# Altium PCB SOM_MCU.PcbDoc (part 2 of 4)
Units mil, origin at the board's own origin, x right, y up, seen from the top; angles counter-clockwise.
Board outline 3385.83 x 1811.02 mil, 4 copper layers (Top Layer, Mid-Layer 1, Mid-Layer 3, Bottom Layer); 107 components, 185 nets, 882 pads, 645 vias.
Unrouted connection lines stored in the file: 5.
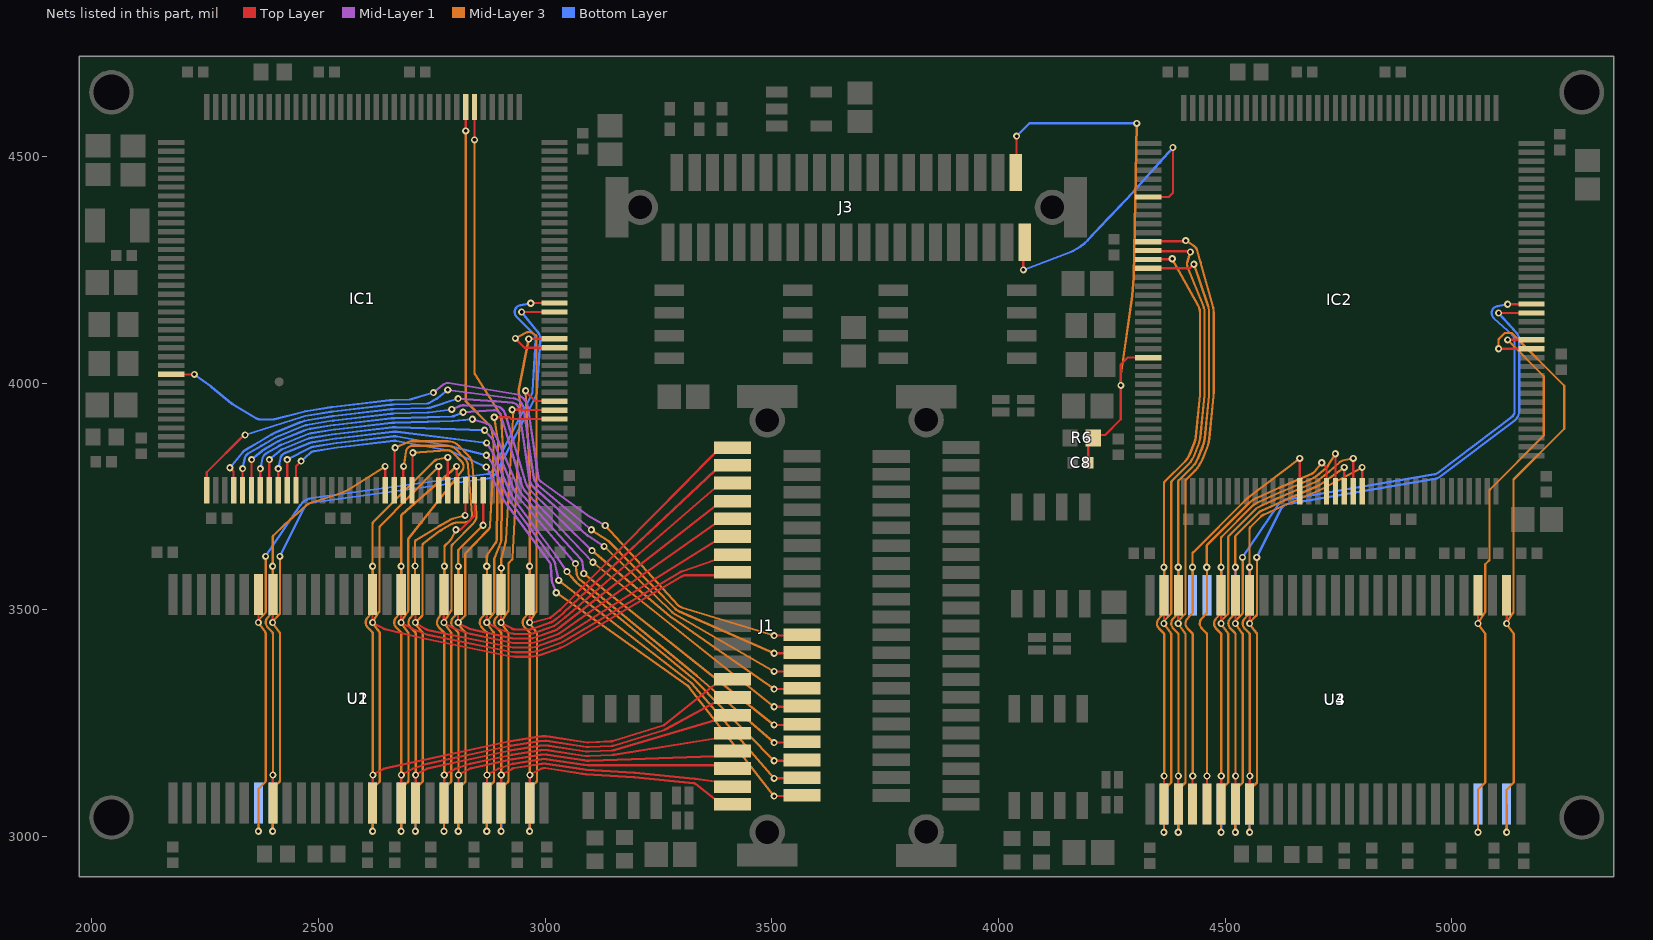
[diagram p4: the nets of this part, all layers, seen from the top]

## Via types
v1: diameter 15.75, hole 7.87, Top Layer to Bottom Layer, tented both sides, 639 vias
v2: diameter 15.75, hole 7.87, Top Layer to Bottom Layer, 4 vias
v3: diameter 23.62/23.62/23.62/23.62 (per signal layer), hole 12, Top Layer to Bottom Layer, tented top, 2 vias

## Nets (pads, with @x,y where several pads share a name; then routed paths per layer and width w, separated by ;. In a path a pad name is that pad's centre, name@x,y a point inside that pad or via, vN(x,y) a via of type N, cw(c..) or ccw(c..) an arc to the next point about the centre after c; other vN are vias at no path point) (continued)
A11: IC1.57 U1.35 U2.35 | length 1133.6
  Top Layer w5: U1.35@2398.94,3073.39 v1@2398.94,3135.23 ; U1.35@2399.18,3073.63 v1(2399.18,3135.47) ; U1.35@2399.43,3073.38 v1@2399.43,3135.23 ; IC1.57@2647.13,3763.86 v1@2647.13,3816.14
  Mid-Layer 3 w5: v1(2399.18,3135.47) 2399.18,3447.62 ; 2399.18,3447.67 ccw(c2394.18,3447.58) 2397.73,3451.11 2387.8,3461.08 cw(c2398.69,3471.93) 2387.17,3482.1 2397.93,3494.28 ccw(c2394.18,3497.59) 2399.18,3497.5 ; 2399.18,3497.54 2399.18,3595.61 v1(2398.69,3596.1) 2398.69,3659.8 cw(c2403.69,3659.8) 2400.14,3663.32 2424.62,3687.8 cw(c2435.19,3677.15) 2425.27,3688.4 2472.92,3730.42 cw(c2489.7,3711.39) 2481.97,3735.56 2550.28,3757.85 ccw(c2530,3820) 2564.85,3764.69 v1(2646.89,3816.38)
  Bottom Layer w5: U2.35@2398.94,3534.02 v1@2398.94,3595.86
A21: IC2.12 U3.25 U4.25 | length 1559.1
  Top Layer w5: IC2.12@4330.61,4312.32 4331.63,4313.35 4412.34,4313.35 v1(4413.37,4314.37) ; v1@4396.91,3469.93 U3.25@4396.91,3531.83
  Mid-Layer 3 w5: v1(4396.66,3009.05) 4396.66,3102.74 4412.79,3118.86 4412.79,3445.52 ; v1(4396.66,3469.68) ccw(c4400.82,3472.47) 4396.75,3469.56 4411.86,3448.38 cw(c4407.79,3445.48) 4412.79,3445.57 ; v1@4396.66,3475.38 4396.66,3475.25 cw(c4400.82,3472.47) 4397.25,3475.97 4411.33,3490.09 ccw(c4407.79,3493.62) 4412.79,3493.53 ; 4412.79,3493.58 4412.79,3784.12 cw(c4417.79,3784.12) 4414.23,3787.64 4433.41,3806.81 ccw(c4380,3860) 4450,3832.04 4459.97,3856.97 ccw(c4390,3885) 4465,3877.48 4474.42,3971.09 ccw(c4409.38,3977.64) 4474.75,3977.64 4474.75,4155 ccw(c4409.38,4155) 4472.34,4172.59 4446.11,4266.45 ccw(c4431.31,4262.31) 4446.06,4266.64 4438.12,4293.7 ccw(c4423.37,4289.37) 4431.82,4302.21 v1(4413.37,4314.37)
  Bottom Layer w5: v1@4396.91,3009.3 U4.25@4396.91,3071.14
A31: IC2.13 U3.26 U4.26 | length 1541.3
  Top Layer w5: IC2.13@4330.77,4292.8 4332.56,4291 4421.73,4291 v1(4423.37,4289.37) ; v1@4365.41,3469.93 U3.26@4365.41,3531.83
  Mid-Layer 3 w5: v1(4365.17,3009.05) 4365.17,3102.74 4381.29,3118.86 4381.29,3445.52 ; v1(4365.17,3469.68) ccw(c4369.32,3472.47) 4365.25,3469.56 4380.36,3448.38 cw(c4376.29,3445.48) 4381.29,3445.57 ; v1@4365.17,3475.38 4365.17,3475.25 cw(c4369.32,3472.47) 4365.75,3475.97 4379.83,3490.09 ccw(c4376.29,3493.62) 4381.29,3493.53 ; 4381.29,3493.58 4381.29,3780.91 cw(c4386.29,3780.91) 4382.74,3784.43 4419.23,3820.92 ccw(c4380,3860) 4431.41,3839.43 4441.4,3864.39 ccw(c4390,3885) 4445.1,3879.45 4454.52,3973.09 ccw(c4409.38,3977.64) 4454.75,3977.64 4454.75,4155 ccw(c4409.38,4155) 4451.41,4172.1 4417.07,4256.52 cw(c4431.31,4262.31) 4416.57,4266.7 v1(4423.37,4289.37)
  Bottom Layer w5: v1@4365.41,3009.3 U4.26@4365.41,3071.14
A41: IC2.14 U3.29 U4.29 | length 1370.5
  Top Layer w5: IC2.14@4330.61,4272.95 4331.32,4273.66 4382.66,4273.66 v1(4383.37,4274.37) ; U3.29@4365.41,3071.14 4365.41,3132.98 v1(4365.66,3133.23)
  Mid-Layer 3 w5: v1(4365.66,3133.23) 4365.66,3445.38 ccw(c4360.66,3445.38) 4364.21,3448.9 4354.33,3458.78 cw(c4365.17,3469.68) 4353.67,3479.89 4364.4,3491.98 ccw(c4360.66,3495.3) 4365.66,3495.3 4365.66,3593.37 v1(4365.17,3593.86) 4365.17,3778.93 cw(c4370.17,3778.93) 4366.61,3782.45 4412.15,3827.98 ccw(c4380,3860) 4422.15,3843.2 4432.13,3868.15 ccw(c4390,3885) 4435.15,3880.45 4444.57,3974.09 ccw(c4409.38,3977.64) 4444.75,3977.64 4444.75,4155 ccw(c4409.38,4155) 4440.28,4172.22 v1(4383.37,4274.37)
  Bottom Layer w5: U4.29@4365.41,3531.83 v1@4365.41,3593.61
A51: IC2.15 U3.30 U4.30 | length 1393.6
  Top Layer w5: IC2.15@4330.77,4253.43 4331.16,4253.82 4422.81,4253.82 v1(4431.31,4262.31) ; U3.30@4396.91,3071.2 v1@4396.91,3133.47
  Mid-Layer 3 w5: v1(4397.15,3133.23) 4397.15,3445.38 ; 4397.15,3445.43 ccw(c4392.15,3445.34) 4395.7,3448.86 4385.77,3458.84 cw(c4396.66,3469.68) 4385.14,3479.86 4395.9,3492.03 ccw(c4392.15,3495.34) 4397.15,3495.25 ; 4397.15,3495.3 4397.15,3593.37 v1(4396.66,3593.86) 4396.66,3782.14 cw(c4401.67,3782.14) 4398.11,3785.66 4426.32,3813.87 ccw(c4380,3860) 4440.7,3835.72 4450.7,3860.72 ccw(c4390,3885) 4455.05,3878.45 4464.47,3972.05 ccw(c4409.38,3977.64) 4464.75,3977.64 4464.75,4155 ccw(c4409.38,4155) 4461.79,4172.86 v1(4431.31,4262.31)
  Bottom Layer w5: U4.30@4396.91,3531.83 v1@4396.91,3593.61
A61: IC2.50 U3.31 U4.31 | length 1015.7
  Top Layer w5: U3.31@4428.4,3071.14 v1@4428.4,3132.98 ; IC2.50@4664.94,3761.46 v1(4664.86,3834.13)
  Mid-Layer 3 w5: v1(4428.65,3133.23) 4428.65,3445.38 ; 4428.65,3445.43 ccw(c4423.65,3445.34) 4427.19,3448.86 4417.27,3458.84 cw(c4428.16,3469.68) 4416.64,3479.86 4427.4,3492.03 ccw(c4423.65,3495.34) 4428.65,3495.25 ; 4428.65,3495.3 4428.65,3593.37 v1(4428.16,3593.86) 4428.16,3623.12 cw(c4433.16,3623.12) 4429.61,3626.64 4544.8,3741.83 cw(c4590.64,3695.75) 4551.21,3747.43 v1(4664.86,3834.13)
  Bottom Layer w5: U4.31@4428.41,3531.83 v1@4428.41,3593.61
A71: IC2.53 U3.32 U4.32 | length 1029.1
  Top Layer w5: U3.32@4459.9,3071.2 v1@4459.9,3133.23 ; v1(4713.37,3824.37) 4723.6,3814.13 4723.6,3761.85 IC2.53@4723.84,3761.61
  Mid-Layer 3 w5: v1(4460.15,3133.23) 4460.15,3445.38 ; 4460.15,3445.43 ccw(c4455.15,3445.34) 4458.69,3448.86 4448.76,3458.84 cw(c4459.66,3469.68) 4448.13,3479.86 4458.89,3492.03 ccw(c4455.15,3495.34) 4460.15,3495.25 ; 4460.15,3495.3 4460.15,3593.37 v1(4459.66,3593.86) 4459.66,3640.48 cw(c4464.66,3640.48) 4461.1,3643.99 4551.85,3734.74 cw(c4590.64,3695.75) 4567.87,3745.81 4618.09,3768.66 cw(c4645.15,3709.15) 4619.35,3769.22 4691.58,3800.24 ccw(c4685.51,3814.37) 4697.47,3804.7 v1(4713.37,3824.37)
  Bottom Layer w5: U4.32@4459.9,3531.83 v1@4459.9,3593.61
A81: IC2.54 U3.33 U4.33 | length 1063.8
  Top Layer w5: U3.33@4491.4,3071.14 v1@4491.4,3132.98 ; v1(4743.37,3844.37) 4743.44,3844.29 4743.44,3761.69 IC2.54@4743.52,3761.61
  Mid-Layer 3 w5: v1(4491.64,3133.23) 4491.64,3445.38 ; 4491.64,3445.43 ccw(c4486.64,3445.34) 4490.19,3448.86 4480.26,3458.84 cw(c4491.15,3469.68) 4479.63,3479.86 4490.39,3492.03 ccw(c4486.64,3495.34) 4491.64,3495.25 ; 4491.64,3495.3 4491.64,3593.37 v1(4491.15,3593.86) 4491.15,3657.83 cw(c4496.15,3657.83) 4492.6,3661.35 4558.91,3727.66 cw(c4590.64,3695.75) 4572.01,3736.71 4622.22,3759.55 cw(c4645.15,3709.15) 4623.34,3760.05 4695.53,3791.06 ccw(c4685.51,3814.37) 4701.65,3794.79 4723.14,3812.51 ccw(c4713.37,3824.37) 4726.53,3816.44 v1(4743.37,3844.37)
  Bottom Layer w5: U4.33@4491.4,3531.83 v1@4491.4,3593.61
A91: IC2.55 U3.34 U4.34 | length 1004.3
  Top Layer w5: U3.34@4522.89,3071.2 v1@4522.89,3133.23 ; IC2.55@4763.21,3761.61 v1@4763.21,3813.9
  Mid-Layer 3 w5: v1(4523.14,3133.23) 4523.14,3445.38 ; 4523.14,3445.43 ccw(c4518.14,3445.34) 4521.68,3448.86 4511.75,3458.84 cw(c4522.65,3469.68) 4511.13,3479.86 4521.88,3492.03 ccw(c4518.14,3495.34) 4523.14,3495.25 ; 4523.14,3495.3 4523.14,3593.37 v1(4522.65,3593.86) 4522.65,3661.04 cw(c4527.65,3661.04) 4524.09,3664.56 4573.02,3713.48 cw(c4590.64,3695.75) 4580.3,3718.51 4630.47,3741.33 cw(c4645.15,3709.15) 4631.28,3741.69 4703.42,3772.68 ccw(c4685.51,3814.37) 4711.98,3777.51 v1(4762.97,3814.13)
  Bottom Layer w5: U4.34@4522.89,3531.83 v1@4522.89,3593.61
A101: IC2.56 U3.22 U4.22 | length 1192.6
  Top Layer w5: v1@4491.4,3469.93 U3.22@4491.4,3531.83 ; IC2.56@4783.05,3761.46 v1@4783.05,3834.06
  Mid-Layer 3 w5: v1(4491.15,3009.05) 4491.15,3102.74 4507.27,3118.86 4507.27,3445.52 ; v1(4491.15,3469.68) ccw(c4495.31,3472.47) 4491.24,3469.56 4506.35,3448.38 cw(c4502.27,3445.48) 4507.27,3445.57 ; v1@4491.15,3475.38 4491.15,3475.25 cw(c4495.31,3472.47) 4491.73,3475.97 4505.82,3490.09 ccw(c4502.27,3493.62) 4507.27,3493.53 ; 4507.27,3493.58 4507.27,3659.81 cw(c4512.28,3659.81) 4508.72,3663.33 4565.96,3720.57 cw(c4590.64,3695.75) 4576.2,3727.63 4626.36,3750.45 cw(c4645.15,3709.15) 4627.32,3750.87 4699.47,3781.87 ccw(c4685.51,3814.37) 4708.01,3787.07 4729.5,3804.79 ccw(c4713.37,3824.37) 4730.31,3805.48 4752.7,3825.58 cw(c4762.97,3814.13) 4759.76,3829.17 v1(4782.97,3834.13)
  Bottom Layer w5: v1@4491.4,3009.3 U4.22@4491.4,3071.14
A111: IC2.57 U3.35 U4.35 | length 1018.4
  Top Layer w5: U3.35@4554.39,3071.14 v1@4554.39,3133.23 ; IC2.57@4802.64,3761.61 v1@4802.58,3813.9
  Mid-Layer 3 w5: v1(4554.63,3133.23) 4554.63,3445.38 ; 4554.63,3445.43 ccw(c4549.63,3445.34) 4553.18,3448.86 4543.25,3458.84 cw(c4554.14,3469.68) 4542.62,3479.86 4553.38,3492.03 ccw(c4549.63,3495.34) 4554.63,3495.25 ; 4554.63,3495.3 4554.63,3593.37 v1(4554.14,3593.86) 4554.14,3678.4 cw(c4559.15,3678.4) 4555.59,3681.91 4580.07,3706.39 cw(c4590.64,3695.75) 4584.43,3709.4 4634.6,3732.22 cw(c4645.15,3709.15) 4635.24,3732.51 4707.39,3763.5 ccw(c4685.51,3814.37) 4711.66,3765.56 v1(4802.34,3814.13)
  Bottom Layer w5: U4.35@4554.39,3531.83 v1@4554.39,3593.61
ADC1: IC1.27 J1.20 | length 1709.2
  Top Layer w5: IC1.27@2175.23,4019.22 2175.27,4019.25 2225.92,4019.25 v1(2225.96,4019.22) ; v1(3504.88,3443) J1.20@3565.3,3443
  Mid-Layer 1 w5: v1(2753.43,3979.1) 2775.29,3996.92 cw(c2785,3985) 2787.51,4000.17 2932.72,3976.16 cw(c2926.95,3941.26) 2961.95,3946.4 2984.79,3792.79 ccw(c3000,3795) 2990.98,3782.55 3092.44,3709.09 ccw(c3101.43,3721.56) 3093.77,3708.23 v1(3132.49,3685.98)
  Mid-Layer 3 w5: v1(3132.49,3685.98) 3293.65,3509.63 ccw(c3305,3520) 3300.52,3505.29 v1(3504.88,3443)
  Bottom Layer w5: v1(2225.96,4019.22) 2262.96,3992.32 cw(c2253.92,3979.88) 2263.7,3991.74 2307.93,3955.28 ccw(c2314.29,3963) 2309.2,3954.39 2364.98,3921.39 ccw(c2370.07,3930) 2370.07,3920 2400.33,3920 ccw(c2400.33,3930) 2402.93,3920.34 2465.39,3936.6 cw(c2491.93,3834.63) 2475.11,3938.65 2526.56,3946.97 cw(c2543.38,3842.95) 2531.34,3947.63 2656.65,3962.16 cw(c2668.78,3857.49) 2665.27,3962.8 2701.33,3964.01 ccw(c2701,3974) 2703.84,3964.41 v1(2753.43,3979.1)
ADC2: IC1.37 J1.18 | length 1684.9
  Top Layer w5: IC1.37@2253.43,3763.86 2253.43,3803.43 2335.63,3885.63 v1(2337.99,3885.63) ; v1(3504.88,3404) J1.18@3565.3,3404
  Mid-Layer 1 w5: v1(2785,3985) 2930.17,3966.42 cw(c2926.95,3941.26) 2952.05,3944.96 2974.9,3791.3 ccw(c3000,3795) 2983.66,3775.59 v1(3101.88,3676.5)
  Mid-Layer 3 w5: v1(3101.88,3676.5) 3138.35,3652.91 cw(c3130,3640) 3140.97,3650.77 3286.9,3502.22 ccw(c3305,3520) 3294.75,3496.79 v1(3504.88,3404)
  Bottom Layer w5: v1(2337.99,3885.63) 2462.95,3925.49 cw(c2491.93,3834.63) 2476.71,3928.78 2528.15,3937.1 cw(c2543.38,3842.95) 2532.44,3937.69 2657.76,3952.22 cw(c2668.78,3857.49) 2665.95,3952.82 2739.58,3955 ccw(c2739.33,3965) 2744.21,3956.27 2760.95,3965.69 ccw(c2753.43,3979.1) 2763.14,3967.18 v1(2785,3985)
ADC3: IC1.40 J1.16 | length 1646.5
  Top Layer w5: v1(2304.16,3813.48) 2312.48,3805.16 IC1.40@2312.48,3763.86 ; v1(3504.88,3364) J1.16@3565.3,3364
  Mid-Layer 1 w5: v1(2807.8,3965.88) 2890.02,3959.97 cw(c2887.48,3924.68) 2890.61,3959.92 2928.31,3956.57 cw(c2926.95,3941.26) 2942.16,3943.48 2965.01,3789.8 ccw(c3000,3795) 2976.35,3768.7 3091.65,3665.02 ccw(c3101.88,3676.5) 3093.5,3663.61 v1(3130,3640)
  Mid-Layer 3 w5: v1(3130,3640) 3280.41,3494.57 ccw(c3305,3520) 3287.34,3489.35 v1(3504.88,3364)
  Bottom Layer w5: v1(2304.16,3813.48) 2332.61,3847.51 cw(c2352.07,3831.24) 2339.18,3853.09 2368.4,3870.33 ; 2368.44,3870.35 2397.53,3887.49 cw(c2430.79,3831.22) 2406.08,3891.74 2459.6,3913.64 cw(c2491.93,3834.63) 2478.38,3918.92 2529.71,3927.22 cw(c2543.38,3842.95) 2533.55,3927.75 2658.95,3942.29 cw(c2668.78,3857.49) 2666.25,3942.82 2739.89,3945.01 ccw(c2739.33,3965) 2745.39,3945.94 v1(2807.8,3965.88)
ADC4: IC1.41 J1.14 | length 1612.5
  Top Layer w5: IC1.41@2332.17,3763.86 v1(2332.21,3811.55) ; v1(3504.88,3325) J1.14@3565.3,3325
  Mid-Layer 1 w5: v1(2793.73,3942) 2812.74,3950.09 cw(c2818.76,3935.94) 2820.04,3951.26 2820.09,3951.26 ccw(c2820.49,3956.24) 2820.38,3951.24 2887.87,3950.05 cw(c2887.48,3924.68) 2911.81,3931.88 2956.51,3782.07 ccw(c3000,3795) 2968.26,3762.58 v1(3103.23,3630.44)
  Mid-Layer 3 w5: v1(3103.23,3630.44) 3275.79,3485.28 ccw(c3305,3520) 3279.01,3482.8 v1(3504.88,3325)
  Bottom Layer w5: v1(2332.21,3811.55) 2337.03,3834.41 cw(c2352.07,3831.24) 2344.26,3844.48 2373.47,3861.71 ; 2373.48,3861.71 2402.64,3878.9 cw(c2430.79,3831.22) 2409.82,3882.47 2463.34,3904.37 cw(c2491.93,3834.63) 2479.94,3909.04 2531.35,3917.35 cw(c2543.38,3842.95) 2534.79,3917.83 2660.1,3932.36 cw(c2668.78,3857.49) 2666.55,3932.83 2740.22,3935.01 ccw(c2739.33,3965) 2743.3,3935.26 v1(2793.73,3942)
ADC5: IC1.42 J1.12 | length 1608.8
  Top Layer w5: IC1.42@2351.85,3763.86 2351.96,3763.97 2351.96,3831.13 v1(2352.07,3831.24) ; v1(3504.88,3286) J1.12@3565.3,3286
  Mid-Layer 1 w5: v1(2818.76,3935.94) 2886.55,3940.03 cw(c2887.48,3924.68) 2902.22,3929.04 2946.94,3779.17 ccw(c3000,3795) 2959.88,3756.83 v1(3105.05,3604.75)
  Mid-Layer 3 w5: v1(3105.05,3604.75) v1(3504.88,3286)
  Bottom Layer w5: v1(2352.07,3831.24) 2375.09,3850.64 cw(c2391.44,3831.24) 2378.56,3853.1 2407.76,3870.31 cw(c2430.79,3831.22) 2413.66,3873.23 2467.13,3895.11 cw(c2491.93,3834.63) 2481.5,3899.16 2532.88,3907.47 cw(c2543.38,3842.95) 2535.9,3907.89 2661.22,3922.42 cw(c2668.78,3857.49) 2666.84,3922.83 2740.47,3925.02 cw(c2740.83,3915.02) 2740.55,3925.02 2794.22,3926.63 ccw(c2793.73,3942) 2799.75,3927.85 v1(2818.76,3935.94)
ADC6: IC1.43 J1.10 | length 1583.2
  Top Layer w5: IC1.43@2371.56,3763.88 v1(2371.58,3811.55) ; v1(3504.88,3246) J1.10@3565.3,3246
  Mid-Layer 1 w5: v1(2839.27,3920.37) 2870.86,3910.74 cw(c2866.37,3896.03) 2879.76,3903.59 2892.75,3880.59 cw(c2870.65,3868.11) 2894.06,3877.92 2939.75,3769.62 ccw(c3000,3795) 2952,3750.62 3078.23,3612.2 cw(c3066.87,3601.84) 3082.14,3603.69 v1(3085,3580)
  Mid-Layer 3 w5: v1(3085,3580) v1(3504.88,3246)
  Bottom Layer w5: v1(2371.58,3811.55) 2376.4,3834.41 cw(c2391.44,3831.24) 2383.64,3844.48 2412.83,3861.69 cw(c2430.79,3831.22) 2417.4,3863.96 2470.96,3885.88 cw(c2491.93,3834.63) 2483.09,3889.29 2534.51,3897.6 cw(c2543.38,3842.95) 2537.02,3897.95 2662.41,3912.49 cw(c2668.78,3857.49) 2667.14,3912.83 2740.83,3915.02 2794.53,3916.64 ccw(c2793.73,3942) 2795.86,3916.71 v1(2839.27,3920.37)
ADC7: IC1.44 J1.8 | length 1573.9
  Top Layer w5: IC1.44@2391.33,3763.97 v1@2391.33,3831.13 ; v1(3504.88,3207) J1.8@3565.3,3207
  Mid-Layer 1 w5: v1(2866.37,3896.03) 2882.13,3878.34 cw(c2870.65,3868.11) 2884.82,3874.08 2930.56,3765.7 ccw(c3000,3795) 2942.89,3745.81 v1(3066.87,3601.84)
  Mid-Layer 3 w5: v1(3066.87,3601.84) 3069.74,3578.14 ccw(c3085,3580) 3075.22,3568.14 3333.85,3355.02 cw(c3305,3320) 3334.7,3354.31 v1(3504.88,3207)
  Bottom Layer w5: v1(2391.44,3831.24) 2414.44,3850.62 cw(c2430.79,3831.22) 2421.18,3854.7 2474.7,3876.6 cw(c2491.93,3834.63) 2484.73,3879.42 2536.14,3887.74 cw(c2543.38,3842.95) 2538.16,3888.02 2663.56,3902.56 cw(c2668.78,3857.49) 2670.36,3902.83 v1(2866.37,3896.03)
ADC8: IC1.45 J1.6 | length 1555.9
  Top Layer w5: IC1.45@2410.91,3763.86 v1(2410.93,3811.52) ; v1(3504.88,3167) J1.6@3565.3,3167
  Mid-Layer 1 w5: v1(2870.65,3868.11) 2883.08,3849.26 cw(c2870.25,3840.8) 2884.36,3846.9 2921.7,3760.97 ccw(c3000,3795) 2931.44,3744.12 3025.49,3617.23 cw(c2997.12,3596.1) 3026.31,3616.07 v1(3048.11,3584.21)
  Mid-Layer 3 w5: v1(3048.11,3584.21) 3065.67,3563.56 ccw(c3085,3580) 3068.86,3560.42 3327.46,3347.33 cw(c3305,3320) 3330.24,3344.79 v1(3504.88,3167)
  Bottom Layer w5: v1(2410.93,3811.52) 2415.75,3834.39 cw(c2430.79,3831.22) 2424.97,3845.45 2478.54,3867.36 cw(c2491.93,3834.63) 2486.29,3869.55 2537.73,3877.87 cw(c2543.38,3842.95) 2539.34,3878.09 2664.67,3892.62 cw(c2668.78,3857.49) 2673.14,3892.59 v1(2870.65,3868.11)
ADC9: IC1.46 J1.4 | length 1550.5
  Top Layer w5: IC1.46@2430.68,3763.95 v1@2430.68,3831.11 ; v1(3504.88,3128) J1.4@3565.3,3128
  Mid-Layer 1 w5: v1(2870.25,3840.8) 2882.43,3824.04 cw(c2870,3815) 2884.06,3821.23 2912.84,3756.27 ccw(c3000,3795) 2923.39,3738.19 3017.48,3611.25 cw(c2997.12,3596.1) 3021.89,3601.59 v1(3030,3565)
  Mid-Layer 3 w5: v1(3030,3565) 3320.53,3340.06 cw(c3305,3320) 3324.18,3336.61 v1(3504.88,3128)
  Bottom Layer w5: v1(2430.79,3831.22) 2480.15,3857.1 cw(c2491.93,3834.63) 2487.94,3859.68 2539.27,3867.99 cw(c2543.38,3842.95) 2540.46,3868.15 2665.86,3882.69 cw(c2668.78,3857.49) 2673.35,3882.45 2789.53,3861.34 cw(c2785,3836.38) 2791.28,3860.96 v1(2870.25,3840.8)
ADC10: IC1.47 J1.2 | length 1543.8
  Top Layer w5: IC1.47@2450.28,3763.86 2450.28,3816.7 v1(2461.53,3827.95) ; v1(3504.88,3089) J1.2@3565.3,3089
  Mid-Layer 1 w5: v1(2870,3815) 2906.97,3745.51 ccw(c3000,3795) 2915.34,3732.26 3009.47,3605.26 cw(c2997.12,3596.1) 3012.46,3597.12 3014.66,3563.98 ccw(c3030,3565) 3015.7,3559.35 v1(3024.27,3537.67)
  Mid-Layer 3 w5: v1(3024.27,3537.67) 3313.89,3332.55 cw(c3305,3320) 3317.12,3329.46 v1(3504.88,3089)
  Bottom Layer w5: v1(2461.53,3827.95) 2481.65,3846.05 cw(c2491.93,3834.63) 2489.48,3849.8 2540.93,3858.12 cw(c2543.38,3842.95) 2541.61,3858.22 2667.01,3872.76 cw(c2668.78,3857.49) 2671.53,3872.61 2787.75,3851.5 cw(c2785,3836.38) 2791.31,3850.4 v1(2870,3815)
AUDIO_NRST: C8.2 IC2.25 J3.2 R6.2 | length 1263.2
  Top Layer w5: J3.2@4038,4465 4040,4467 v1(4040,4545) ; C8.2@4198.43,3824.37 4198.43,3868.78 4215.35,3885.7 4235.48,3885.7 4270.06,3920.28 v1(4270.06,3995) 4270.06,4041 4285.47,4056.42 IC2.25@4330.67,4056.42
  Mid-Layer 3 w5: v1(4270.06,3995) 4270.35,4017.55 cw(c4285.72,4017.37) 4270.35,4017.64 cw(c4285.72,4017.37) 4270.5,4019.49 4295.21,4192.79 ccw(c4280,4195) 4295.22,4192.85 ccw(c4280,4195) 4295.31,4193.64 4298.74,4233.04 ccw(c4283.43,4234.37) 4298.8,4234.08 v1(4305.28,4573.29)
  Bottom Layer w5: v1(4040,4545) 4068.29,4573.29 v1(4305.28,4573.29)
BA0: IC1.89 U1.20 U2.20 | length 1825.7
  Top Layer w5: v1(2398.69,3471.93) U1.20@2398.69,3533.77 ; v1@2398.94,3472.17 U1.20@2398.94,3534.02 ; v1@2948.07,4157.09 IC1.89@3020.67,4157.09
  Mid-Layer 3 w5: v1(2398.69,3011.3) 2398.69,3102.91 cw(c2403.69,3102.91) 2400.14,3106.43 2413.36,3119.69 ccw(c2409.81,3123.22) 2414.81,3123.13 2414.81,3447.77 ; v1(2398.69,3471.93) ccw(c2403.66,3472.54) 2399.66,3469.53 2413.81,3450.73 cw(c2409.81,3447.72) 2414.81,3447.81 ; v1@2398.69,3474.64 2398.69,3473.15 cw(c2403.66,3472.54) 2400.09,3476.04 2413.36,3489.35 ccw(c2409.81,3492.88) 2414.81,3492.79 ; 2414.81,3492.84 v1@2414.81,3614.64
  Bottom Layer w5: v1@2398.94,3011.54 U2.20@2398.94,3073.39 ; v1(2414.52,3617.91) 2467.01,3722.75 cw(c2489.7,3711.39) 2486.3,3736.54 2873.46,3789.86 ccw(c2870,3815) 2892.55,3803.37 2979.3,3971.59 ccw(c2956.75,3983.22) 2982.08,3981.68 2989.02,4095.95 ccw(c2963.69,4097.49) 2983.38,4113.5 v1(2947.99,4157.01)
BA01: IC2.89 U3.20 U4.20 | length 1760.6
  Top Layer w5: v1@4554.39,3469.93 U3.20@4554.39,3531.83 ; v1@5103.52,4154.84 IC2.89@5176.12,4154.84
  Mid-Layer 3 w5: v1(4554.14,3009.21) 4554.14,3102.74 4570.27,3118.86 4570.27,3447.48 4569.05,3448.77 4555.12,3467.28 cw(c4559.11,3470.29) v1(4554.14,3469.68) ; v1@4554.14,3470.9 cw(c4559.11,3470.29) 4555.54,3473.8 4568.81,3487.11 ccw(c4565.27,3490.64) 4570.27,3490.55 ; 4570.27,3490.59 v1@4570.27,3612.39
  Bottom Layer w5: v1(4554.14,3009.21) 4554.14,3070.9 U4.20@4554.39,3071.14 ; v1@4569.73,3615.91 v1(4569.98,3615.67) 4622.46,3720.51 cw(c4645.15,3709.15) 4640.94,3734.17 4964.08,3789.12 ccw(c4959.82,3814.13) 4975.13,3793.9 5138.75,3917.68 ccw(c5123.44,3937.91) 5148.82,3937.91 5148.82,4095.39 ccw(c5123.44,4095.39) 5142.15,4112.54 v1(5103.44,4154.76) v1@5103.2,4155.01
BA1: IC1.90 U1.21 U2.21 | length 1861.8
  Top Layer w5: v1(2367.2,3471.93) U1.21@2367.2,3533.77 ; v1@2367.44,3472.17 U1.21@2367.44,3534.02 ; v1@2968.23,4176.61 IC1.90@3020.51,4176.61
  Mid-Layer 3 w5: v1(2367.2,3011.3) 2367.2,3102.91 cw(c2372.2,3102.91) 2368.64,3106.43 2381.86,3119.69 ccw(c2378.32,3123.22) 2383.32,3123.13 2383.32,3447.77 ; v1(2367.2,3471.93) ccw(c2371.35,3474.71) 2367.28,3471.8 2382.39,3450.63 cw(c2378.32,3447.72) 2383.32,3447.81 ; v1@2367.2,3477.63 2367.2,3477.49 cw(c2371.35,3474.71) 2367.78,3478.21 2381.86,3492.34 ccw(c2378.32,3495.87) 2383.32,3495.78 v1@2383.32,3617.62
  Bottom Layer w5: v1@2367.44,3011.54 U2.21@2367.44,3073.39 ; v1(2383.03,3617.91) 2460.49,3731.34 cw(c2489.7,3711.39) 2484.87,3746.44 2872.1,3799.77 ccw(c2870,3815) 2883.66,3807.95 2970.41,3976.18 ccw(c2956.75,3983.22) 2972.1,3982.29 2979.04,4096.55 ccw(c2963.69,4097.49) 2974.61,4108.31 2937.07,4146.19 cw(c2947.99,4157.01) 2945.17,4172.12 v1(2967.99,4176.38)
BA11: IC2.90 U3.21 U4.21 | length 1798.6
  Top Layer w5: v1@4522.89,3469.93 U3.21@4522.89,3531.83 ; v1@5123.68,4174.37 IC2.90@5175.96,4174.37
  Mid-Layer 3 w5: v1(4522.65,3009.21) 4522.65,3102.74 4538.77,3118.86 4538.77,3447.45 4537.6,3448.72 4522.73,3469.56 cw(c4526.8,3472.47) v1@4522.65,3469.68 ; v1@4522.65,3475.38 4522.65,3475.25 cw(c4526.8,3472.47) 4523.23,3475.97 4537.31,3490.09 ccw(c4533.77,3493.62) 4538.77,3493.53 ; 4538.77,3493.58 v1@4538.77,3615.38
  Bottom Layer w5: v1(4522.65,3009.21) 4522.65,3070.9 U4.21@4522.89,3071.14 ; v1@4538.24,3615.91 v1(4538.48,3615.67) 4615.94,3729.1 cw(c4645.15,3709.15) 4639.22,3744.02 4962.4,3798.98 ccw(c4959.82,3814.13) 4969.1,3801.87 5132.72,3925.65 ccw(c5123.44,3937.91) 5138.82,3937.91 5138.82,4095.39 ccw(c5123.44,4095.39) 5133.73,4106.82 5093.16,4143.34 cw(c5103.44,4154.76) 5100.63,4169.88 v1(5123.44,4174.13) v1@5123.2,4174.38
  other v1: 4522.65,3469.68
CODEC_GPIO: IC2.7 J3.1 | length 655.9
  Top Layer w5: v1(4055,4250) 4055,4308 J3.1@4058,4311 ; IC2.7@4330.67,4410.75 4375.75,4410.75 4385,4420 v1(4385,4520)
  Bottom Layer w5: v1(4055,4250) 4156.62,4288.36 ccw(c4119,4388) 4196.79,4315.26 4243.77,4365.5 cw(c4255,4355) 4243.96,4365.7 4283.14,4406.11 ccw(c4272.11,4416.82) 4283.57,4406.57 v1(4385,4520)
D0: IC1.85 J1.41 U1.2 U2.2 | length 1993
  Top Layer w5: v1(2934.16,4098.67) 2954.48,4078.35 IC1.85@3020.67,4078.35 ; v1@2965.87,3472.17 v1(2965.62,3471.93) ; U1.2@2965.87,3534.02 2965.62,3491.52 2965.62,3476.9 2965.62,3472.07 cw(c2960.62,3472.06) v1@2965.62,3471.96 ; J1.41@3402.81,3847.51 J1.41@3410.3,3855 ; J1.41@3412.91,3857.61 J1.41@3410.3,3855 ; v1(2965.62,3471.93) 2970.62,3471.93 ccw(c2970.62,3476.93) 2971.87,3472.09 3009.24,3481.75 ccw(c3007.36,3489.02) 3012.04,3483.15 3032.06,3499.11 ccw(c3022.46,3511.11) 3033.4,3500.31 3374.41,3846.11 J1.41@3410.3,3855
  Mid-Layer 3 w5: v1(2934.16,4098.67) 2956.22,4110.93 cw(c2963.69,4097.49) 2971.61,4110.66 2978.59,4106.47 cw(c2976.01,4102.18) 2981.01,4102.27 2981.01,3498.3 ; v1(2965.62,3011.3) 2965.62,3102.91 cw(c2970.62,3102.91) 2967.07,3106.43 2980.29,3119.69 ccw(c2976.74,3123.22) 2981.74,3123.13 2981.74,3447.77 ; 2981.01,3498.26 cw(c2976.01,3498.34) 2980.19,3495.6 2966.45,3474.68 ccw(c2970.62,3471.93) 2965.62,3471.98 v1(2965.62,3471.93) ccw(c2970.62,3471.93) 2966.68,3468.86 2980.69,3450.79 cw(c2976.74,3447.72) 2981.74,3447.81
  Bottom Layer w5: v1@2965.87,3011.54 U2.2@2965.87,3073.39
D01: IC2.85 U3.2 U4.2 | length 1464
  Top Layer w5: v1@5103.52,4076.1 IC2.85@5176.12,4076.1 ; v1@5121.32,3469.93 U3.2@5121.32,3531.83
  Mid-Layer 3 w5: v1(5103.44,4076.02) 5103.47,4095.1 cw(c5108.47,4095.09) 5104.89,4098.58 5117.08,4110.77 5131.97,4110.77 5248.37,3994.37 5248.37,3899.37 5136.46,3787.47 5136.46,3496.06 ; v1(5121.07,3009.05) 5121.07,3102.74 5137.2,3118.86 5137.2,3445.52 ; 5136.46,3496.01 cw(c5131.46,3496.1) 5135.64,3493.35 5121.9,3472.43 ccw(c5126.08,3469.68) v1(5121.07,3469.68) v1(5121.07,3469.68) ccw(c5126.08,3469.68) 5122.13,3466.61 5136.15,3448.55 cw(c5132.2,3445.48) 5137.2,3445.57
  Bottom Layer w5: v1@5121.32,3009.3 U4.2@5121.32,3071.14
D1: IC1.86 J1.39 U1.4 U2.4 | length 1940
  Top Layer w5: v1@2902.65,3471.91 cw(c2899.29,3468.2) 2902.84,3471.72 2904.06,3470.5 ccw(c2907.63,3474) 2905.35,3469.55 2927.08,3458.26 ccw(c2934.13,3471.93) 2934.13,3456.55 2965.62,3456.55 ccw(c2965.62,3471.93) 2970.72,3457.42 3013.2,3472.52 ccw(c3007.36,3489.02) 3018.29,3475.35 3038.28,3491.27 ccw(c3022.46,3511.11) 3039.83,3492.62 3374.41,3807.11 J1.39@3412.91,3818.61 ; U1.4@2902.63,3533.77 v1(2902.63,3471.93) v1@2903.07,3471.93 ; v1(2963.69,4097.49) 2963.96,4097.76 3020.4,4097.76 IC1.86@3020.51,4097.87
  Mid-Layer 3 w5: v1(2902.63,3011.3) 2902.63,3102.91 cw(c2907.63,3102.91) 2904.08,3106.43 2917.29,3119.69 ccw(c2913.75,3123.22) 2918.75,3123.13 2918.75,3447.77 ; 2918.75,3447.81 ccw(c2913.75,3447.72) 2917.7,3450.79 2903.68,3468.86 cw(c2907.63,3471.93) v1(2902.63,3471.93) 2902.63,3471.98 cw(c2907.63,3471.93) 2903.47,3474.7 2917.91,3496.3 ccw(c2913.75,3499.08) 2918.75,3498.99 ; 2918.75,3499.03 2918.75,3602.47 2926.45,3610.17 ; 2926.47,3610.19 ccw(c2922.88,3613.67) 2927.88,3613.41 2945.35,3943.45 ccw(c2930,3944.31) 2945.29,3945.95 2941.47,3981.53 cw(c2956.75,3983.22) 2941.66,3986.17 v1(2963.69,4097.49)
  Bottom Layer w5: v1@2902.87,3011.54 U2.4@2902.87,3073.39
D1_1: IC2.86 U3.4 U4.4 | length 1365.1
  Top Layer w5: v1@5058.33,3469.93 U3.4@5058.33,3531.83 ; v1@5123.68,4095.63 IC2.86@5175.96,4095.63
  Mid-Layer 3 w5: v1(5058.08,3009.05) 5058.08,3102.74 5074.2,3118.86 5074.2,3445.52 ; v1@5058.08,3469.64 ccw(c5063.08,3469.68) 5059.13,3466.62 5073.16,3448.55 cw(c5069.2,3445.48) 5074.2,3445.57 ; v1(5058.08,3469.68) cw(c5063.08,3469.68) 5058.93,3472.47 5073.36,3494.05 ccw(c5069.2,3496.83) 5074.2,3496.74 ; 5074.2,3496.79 5074.2,3600.23 5081.9,3607.92 ; 5081.92,3607.95 ccw(c5078.34,3611.43) 5083.34,3611.43 5083.39,3762.33 cw(c5088.4,3762.33) 5084.81,3765.81 ; 5084.83,3765.83 5203.37,3884.37 5203.37,4015.47 v1(5123.44,4095.39)
  Bottom Layer w5: v1@5058.33,3009.3 U4.4@5058.33,3071.14
D2: IC1.114 J1.37 U1.5 U2.5 | length 2424.2
  Top Layer w5: v1@2843.98,4536.77 IC1.114@2843.98,4609.37 ; v1@2871.38,3472.17 v1(2871.13,3471.93) ; U1.5@2871.38,3534.02 2871.13,3491.52 v1(2871.13,3471.93) ; v1@2871.87,3472.17 v1(2871.13,3471.93) ; J1.37@3412.91,3779.61 3374.41,3768.11 3045.57,3484.33 cw(c3022.46,3511.11) 3044.5,3483.44 3024.5,3467.51 cw(c3007.36,3489.02) 3016.57,3463.1 2974.17,3448.04 cw(c2965.62,3471.93) 2965.62,3446.55 2934.13,3446.55 cw(c2934.13,3471.93) 2926.09,3447.86 2897.7,3457.37 cw(c2902.63,3471.93) 2895.2,3458.47 2873.71,3470.41 cw(c2876.13,3474.78) 2873.59,3470.48 v1(2871.13,3471.93)
  Mid-Layer 3 w5: v1(2844.06,4536.69) 2844.06,4022.54 ccw(c2849.06,4022.54) 2844.84,4019.85 2900.43,3932.97 cw(c2887.48,3924.68) 2902.83,3925.55 2905.97,3870.11 cw(c2870.65,3868.11) 2906.03,3867.67 2905.37,3814.56 2903.29,3656.28 cw(c2877.91,3656.61) 2901.47,3647.2 2888.1,3613.75 ccw(c2892.75,3611.89) 2887.75,3611.89 2887.75,3496.31 ; v1(2871.13,3011.3) 2871.13,3102.91 cw(c2876.13,3102.91) 2872.58,3106.43 2885.8,3119.69 ccw(c2882.26,3123.22) 2887.26,3123.13 2887.26,3447.77 ; 2887.26,3447.81 ccw(c2882.26,3447.72) 2886.21,3450.79 2872.21,3468.83 cw(c2876.13,3471.93) v1(2871.13,3471.93) 2871.13,3471.98 cw(c2876.13,3471.93) 2872.22,3475.04 2886.66,3493.25 ccw(c2882.75,3496.36) 2887.75,3496.27
  Bottom Layer w5: v1@2871.38,3011.54 U2.5@2871.38,3073.39
D3: IC1.115 J1.35 U1.7 U2.7 | length 2494.2
  Top Layer w5: U1.7@2808.14,3533.28 2807.8,3491.52 2807.8,3473.9 cw(c2803.14,3472.08) v1@2808.14,3471.95 ; v1@2808.39,3471.68 v1(2808.14,3471.93) ; v1@2808.88,3472.17 v1(2808.14,3471.93) ; v1@2824.45,4556.93 IC1.115@2824.45,4609.21 ; J1.35@3412.91,3739.61 3374.41,3728.11 3030.44,3459.46 cw(c3007.36,3489.02) 3019.94,3453.69 2977.47,3438.6 cw(c2965.62,3471.93) 2965.62,3436.55 2934.13,3436.55 cw(c2934.13,3471.93) 2926.64,3437.36 2836.34,3456.91 cw(c2839.64,3471.93) 2832.74,3458.19 2811.46,3468.96 cw(c2813.72,3473.42) 2810.21,3469.86 v1(2808.14,3471.93)
  Mid-Layer 3 w5: v1(2808.14,3011.3) 2808.14,3102.91 cw(c2813.14,3102.91) 2809.6,3106.45 2822.81,3119.69 ccw(c2819.26,3123.22) 2824.26,3123.13 ; 2824.26,3123.18 2824.26,3447.77 ; 2824.26,3447.81 ccw(c2819.26,3447.72) 2823.02,3451.02 2809.38,3466.56 cw(c2813.14,3469.86) 2808.14,3469.85 v1(2808.14,3471.93) 2822.3,3486.14 ccw(c2818.76,3489.67) 2823.76,3489.58 2823.76,3622.47 cw(c2828.76,3622.47) 2825.18,3625.96 2873.91,3675.87 ccw(c2862.91,3686.61) 2878.26,3685.77 2885.35,3814.15 ccw(c2870,3815) 2885.37,3814.81 2886.03,3867.92 ccw(c2870.65,3868.11) 2885.85,3870.44 2881.57,3898.36 ccw(c2866.37,3896.03) 2877.29,3906.86 2826.14,3958.39 cw(c2829.69,3961.91) 2824.69,3961.91 v1(2824.69,4556.69)
  Bottom Layer w5: v1@2808.39,3011.54 U2.7@2808.39,3073.39
D4: IC1.58 J1.33 U1.8 U2.8 | length 1989.8
  Top Layer w5: IC1.58@2666.97,3763.7 2667.36,3764.09 2667.36,3856.06 v1(2668.78,3857.49) ; U1.8@2776.64,3533.28 2776.31,3491.52 2776.31,3474.23 cw(c2771.66,3472.37) v1(2776.64,3471.93) ; v1@2777.38,3472.17 v1(2776.64,3471.93) ; J1.33@3412.91,3700.61 3374.41,3689.11 3034.69,3450.16 cw(c3007.36,3489.02) 3023.3,3444.27 2980.81,3429.17 cw(c2965.62,3471.93) 2965.62,3426.55 2934.13,3426.55 cw(c2934.13,3471.93) 2924.52,3427.58 2834.27,3447.13 cw(c2839.64,3471.93) 2831.6,3447.86 2803.21,3457.37 cw(c2808.14,3471.93) 2801.25,3458.19 2779.96,3468.96 cw(c2782.22,3473.42) 2778.72,3469.86 v1(2776.64,3471.93)
  Mid-Layer 3 w5: v1(2668.78,3857.49) 2697.94,3869.95 cw(c2707.91,3846.61) 2707.99,3871.99 2785.09,3871.75 cw(c2785,3836.38) 2810.42,3860.97 2829.75,3841.02 cw(c2804.37,3816.38) 2839.63,3819.27 2848.56,3710.39 cw(c2823.27,3708.32) 2841.37,3690.53 2796.17,3644.52 cw(c2778.07,3662.3) 2796.04,3644.39 2794.46,3642.81 ccw(c2798.02,3639.29) 2793.02,3639.29 2793.02,3500.15 ; v1(2776.64,3011.3) 2776.64,3102.91 cw(c2781.64,3102.91) 2778.09,3106.43 2791.31,3119.69 ccw(c2787.77,3123.22) 2792.77,3123.13 2792.77,3447.77 ; 2792.77,3447.81 ccw(c2787.77,3447.72) 2791.72,3450.79 2777.7,3468.86 cw(c2781.64,3471.93) v1(2776.64,3471.93) 2776.64,3471.98 cw(c2781.64,3471.93) 2777.45,3474.64 2792.21,3497.48 ccw(c2788.02,3500.19) 2793.02,3500.1
  Bottom Layer w5: v1@2776.89,3011.54 U2.8@2776.89,3073.39
D5: IC1.59 J1.31 U1.10 U2.10 | length 2042.9
  Top Layer w5: IC1.59@2686.5,3763.86 2687.07,3764.43 2687.07,3815.81 v1(2687.64,3816.38) ; U1.10@2713.9,3534.02 2713.65,3491.52 v1(2713.65,3471.93) 2715.12,3470.46 ccw(c2718.65,3474) 2716.09,3469.7 2737.51,3456.76 ccw(c2745.41,3469.95) 2742.33,3454.89 2922.91,3417.7 ccw(c2934.13,3471.93) 2934.13,3416.55 2965.62,3416.55 ccw(c2965.62,3471.93) 2984.19,3419.76 3026.58,3434.82 ccw(c3007.36,3489.02) 3037.78,3440.22 3374.41,3650.11 J1.31@3412.91,3661.61
  Mid-Layer 3 w5: v1(2687.64,3816.38) 2692.72,3848.98 cw(c2707.91,3846.61) 2707.96,3861.99 2785.08,3861.75 cw(c2785,3836.38) 2803.23,3854.02 2822.6,3834.03 cw(c2804.37,3816.38) 2829.66,3818.45 2838.59,3709.57 cw(c2823.27,3708.32) 2823.97,3692.96 2802.22,3691.97 ccw(c2802.91,3676.61) 2795.24,3689.94 2770.39,3675.62 ccw(c2778.07,3662.3) 2768.85,3674.6 2731.36,3646.51 ccw(c2734.36,3642.51) 2729.36,3642.51 2729.36,3489.71 ; v1(2713.65,3011.3) 2713.65,3102.91 cw(c2718.65,3102.91) 2715.1,3106.43 2728.32,3119.69 ccw(c2724.77,3123.22) 2729.77,3123.13 2729.77,3447.77 ; 2729.36,3489.66 cw(c2724.36,3489.75) 2727.9,3486.22 v1(2713.65,3471.93) 2713.65,3469.85 ccw(c2718.65,3469.86) 2714.89,3466.56 2728.53,3451.02 cw(c2724.77,3447.72) 2729.77,3447.81
  Bottom Layer w5: v1@2713.9,3011.54 U2.10@2713.9,3073.39
D6: IC1.60 J1.29 U1.11 U2.11 | length 1992.8
  Top Layer w5: U1.11@2682.4,3534.02 2682.16,3491.52 v1(2682.16,3471.93) 2683.62,3470.46 ccw(c2687.16,3474) 2684.88,3469.55 2706.61,3458.26 ccw(c2713.65,3471.93) 2707.89,3457.68 2735.95,3446.4 ccw(c2745.41,3469.95) 2740.28,3445.1 2920.94,3407.9 ccw(c2934.13,3471.93) 2934.13,3406.55 2965.62,3406.55 ccw(c2965.62,3471.93) 2987.51,3410.33 3029.99,3425.42 ccw(c3007.36,3489.02) 3041.86,3431 3297.14,3582.6 cw(c3310.11,3560.79) 3301.74,3584.74 3374.41,3610.11 J1.29@3412.91,3621.61 ; IC1.60@2706.34,3763.7 2707.05,3764.41 2707.05,3845.75 v1(2707.91,3846.61)
  Mid-Layer 3 w5: v1(2682.16,3011.3) 2682.16,3102.91 cw(c2687.16,3102.91) 2683.6,3106.43 2696.82,3119.69 ccw(c2693.28,3123.22) 2698.28,3123.13 2698.28,3447.77 ; 2697.53,3498.24 cw(c2692.53,3498.33) 2696.71,3495.58 2682.98,3474.67 ccw(c2687.16,3471.93) 2682.16,3471.98 v1(2682.16,3471.93) ccw(c2687.16,3471.93) 2683.21,3468.86 2697.23,3450.79 cw(c2693.28,3447.72) 2698.28,3447.81 ; 2697.53,3498.28 2697.53,3654.16 cw(c2702.53,3654.16) 2698.6,3657.25 2816.45,3806.86 ccw(c2804.37,3816.38) 2815.41,3827.07 2796.04,3847.07 ccw(c2785,3836.38) 2783.97,3851.72 v1(2707.91,3846.61)
  Bottom Layer w5: v1@2682.4,3011.54 U2.11@2682.4,3073.39
D7: IC1.63 J1.27 U1.13 U2.13 | length 1901.5
  Top Layer w5: v1@2619.16,3471.98 2619.16,3491.52 U1.13@2619.41,3534.02 ; v1@2619.41,3471.93 v1(2619.16,3471.93) 2620.61,3470.48 ccw(c2624.16,3474) 2621.86,3469.56 2643.61,3458.26 ccw(c2650.66,3471.93) 2647.1,3456.97 2737.29,3435.52 ccw(c2745.41,3469.95) 2738.26,3435.3 2918.95,3398.1 ccw(c2934.13,3471.93) 2934.13,3396.55 2965.62,3396.55 ccw(c2965.62,3471.93) 2990.83,3400.89 3033.35,3416 ccw(c3007.36,3489.02) 3046.93,3422.38 3302.26,3574.01 cw(c3310.11,3560.79) 3310.11,3576.16 3374.41,3576.16 J1.27@3412.91,3582.61 ; IC1.63@2765.24,3763.86 v1@2765.24,3816.14
  Mid-Layer 3 w5: v1(2619.16,3011.3) 2619.16,3102.91 cw(c2624.16,3102.91) 2620.61,3106.43 2633.57,3119.43 ccw(c2630.03,3122.96) 2635.03,3122.87 ; 2634.54,3498.24 cw(c2629.54,3498.33) 2633.72,3495.58 2619.98,3474.67 ccw(c2624.16,3471.93) 2619.16,3471.98 v1(2619.16,3471.93) ccw(c2624.16,3471.93) 2620.2,3468.89 2633.98,3451.04 cw(c2630.03,3447.98) 2635.03,3448.07 2635.03,3122.92 ; 2634.54,3498.28 2634.54,3681.17 cw(c2639.54,3681.17) 2635.97,3684.67 v1(2765,3816.38)
  Bottom Layer w5: v1@2619.41,3011.54 U2.13@2619.41,3073.39
D8: IC1.64 J1.15 U1.42 U2.42 | length 1832.1
  Top Layer w5: U1.42@2619.41,3073.39 2619.65,3115.89 v1(2619.65,3135.47) ; v1@2619.41,3135.23 v1(2619.65,3135.47) ; IC1.64@2785.08,3763.7 v1@2785.08,3836.3 ; J1.15@3412.91,3346.61 3374.41,3335.11 3262.47,3245.89 cw(c3257.8,3251.75) 3260.04,3244.6 3149.56,3210.32 cw(c3145,3225) 3145.72,3209.64 3095.66,3207.11 cw(c3094.87,3222.46) 3092.41,3207.29 3010.75,3219.83 ccw(c2997.61,3135.47) 2984.05,3219.76 2922.65,3209.89 ccw(c2934.62,3135.47) 2918.62,3209.13 2647.9,3150.5 ccw(c2651.15,3135.47) 2644.04,3149.1 2622.35,3137.84 ccw(c2624.65,3133.4) 2621.12,3136.94 v1(2619.65,3135.47)
  Mid-Layer 3 w5: v1(2619.65,3135.47) 2619.65,3447.62 ; 2619.65,3447.67 ccw(c2614.65,3447.58) 2618.2,3451.11 2608.27,3461.08 cw(c2619.16,3471.93) 2607.64,3482.1 2618.4,3494.28 ccw(c2614.65,3497.59) 2619.65,3497.5 ; 2619.65,3497.54 2619.65,3595.61 v1(2619.16,3596.1) 2619.16,3690.21 cw(c2624.16,3690.21) 2620.61,3693.73 2754.14,3827.26 cw(c2765,3816.38) 2761.78,3831.41 v1(2785,3836.38)
  Bottom Layer w5: U2.42@2619.41,3534.02 v1@2619.41,3595.86
D9: IC1.65 J1.13 U1.44 U2.44 | length 1687.7
  Top Layer w5: U1.44@2682.4,3073.39 2682.65,3115.89 v1(2682.65,3135.47) ; v1@2682.4,3135.23 v1(2682.65,3135.47) ; IC1.65@2804.61,3763.86 v1@2804.61,3816.14 ; J1.13@3412.91,3306.61 3374.41,3295.11 3266.13,3236.36 cw(c3257.8,3251.75) 3262.98,3235.04 3152.52,3200.77 cw(c3145,3225) 3146.27,3199.66 3096.14,3197.12 cw(c3094.87,3222.46) 3090.89,3197.41 3009.24,3209.94 ccw(c2997.61,3135.47) 2985.54,3209.87 2924.27,3200.02 ccw(c2934.62,3135.47) 2920.78,3199.36 2740.31,3160.28 ccw(c2745.64,3135.47) 2737.58,3159.53 2709.26,3150.05 ccw(c2714.14,3135.47) 2707.04,3149.1 2685.34,3137.84 ccw(c2687.65,3133.4) 2684.11,3136.94 v1(2682.65,3135.47)
  Mid-Layer 3 w5: v1(2682.65,3135.47) 2682.65,3447.62 ; 2682.65,3447.67 ccw(c2677.65,3447.58) 2681.19,3451.11 2671.26,3461.08 cw(c2682.16,3471.93) 2670.63,3482.1 2681.39,3494.28 ccw(c2677.65,3497.59) 2682.65,3497.5 ; 2682.65,3497.54 2682.65,3595.61 v1(2682.16,3596.1) 2682.16,3706.28 cw(c2687.16,3706.28) 2683.85,3710.03 v1(2804.37,3816.38)
  Bottom Layer w5: U2.44@2682.4,3534.02 v1@2682.4,3595.86
D10: IC1.66 J1.11 U1.45 U2.45 | length 1553
  Top Layer w5: U1.45@2713.9,3073.39 2714.14,3115.89 v1(2714.14,3135.47) ; v1@2713.9,3135.23 v1(2714.14,3135.47) ; v1(2823.27,3708.32) 2824.19,3709.23 IC1.66@2824.19,3763.94 ; J1.11@3412.91,3267.61 3374.41,3256.11 3155.05,3191.08 cw(c3145,3225) 3146.75,3189.67 3096.63,3187.13 cw(c3094.87,3222.46) 3089.41,3187.51 3007.67,3200.07 ccw(c2997.61,3135.47) 2987.23,3200.02 2925.83,3190.14 ccw(c2934.62,3135.47) 2922.9,3189.59 2742.38,3150.5 ccw(c2745.64,3135.47) 2738.53,3149.1 2716.84,3137.84 ccw(c2719.14,3133.4) 2715.61,3136.94 v1(2714.14,3135.47)
  Mid-Layer 3 w5: 2712.91,3496.27 cw(c2707.91,3496.36) 2711.68,3493.07 2702.05,3482.02 ccw(c2713.65,3471.93) 2702.76,3461.08 2712.69,3451.11 cw(c2709.14,3447.58) 2714.14,3447.67 ; 2712.91,3496.31 v1(2712.91,3596.61) 2712.91,3649.54 cw(c2717.91,3649.54) 2715.31,3653.81 2764.88,3683.98 cw(c2778.07,3662.3) 2765.4,3684.29 2790.25,3698.6 cw(c2802.91,3676.61) 2796.37,3701.13 v1(2823.27,3708.32) ; v1(2714.14,3135.47) 2714.14,3447.62
  Bottom Layer w5: v1(2712.91,3596.61) 2712.91,3535 U2.45@2713.9,3534.02
D11: IC1.67 J1.9 U1.47 U2.47 | length 1444.5
  Top Layer w5: U1.47@2776.89,3073.39 2777.14,3115.89 v1(2777.14,3135.47) ; v1@2776.89,3135.23 v1(2777.14,3135.47) ; v1(2802.91,3676.61) 2813.31,3676.61 2843.98,3707.28 IC1.67@2843.98,3763.86 ; J1.9@3412.91,3227.61 3374.41,3216.11 3152.21,3180.2 cw(c3145,3225) 3147.29,3179.68 3097.16,3177.15 cw(c3094.87,3222.46) 3087.84,3177.64 3006.16,3190.18 ccw(c2997.61,3135.47) 2988.83,3190.15 2927.41,3180.27 ccw(c2934.62,3135.47) 2925.01,3179.82 2834.8,3160.28 ccw(c2840.13,3135.47) 2832.07,3159.53 2803.75,3150.05 ccw(c2808.63,3135.47) 2801.53,3149.11 2779.83,3137.84 ccw(c2782.14,3133.4) 2778.6,3136.94 v1(2777.14,3135.47)
  Mid-Layer 3 w5: v1(2777.14,3135.47) 2777.14,3447.62 ; 2777.14,3447.67 ccw(c2772.14,3447.58) 2775.68,3451.11 2765.8,3461.03 cw(c2776.64,3471.93) 2763.67,3480.17 2776.36,3500.18 ccw(c2772.14,3502.86) 2777.14,3502.77 ; 2777.14,3502.82 2777.14,3595.58 v1(2777.64,3596.08) 2777.64,3638.06 cw(c2782.64,3638.06) 2779.09,3641.58 2788.95,3651.44 ccw(c2778.07,3662.3) 2791.69,3655.17 v1(2802.91,3676.61)
  Bottom Layer w5: U2.47@2776.89,3534.02 2777.64,3534.77 v1(2777.64,3596.08)
D12: IC1.68 J1.7 U1.48 U2.48 | length 1400.2
  Top Layer w5: U1.48@2808.39,3073.39 2808.63,3115.89 v1(2808.63,3135.47) ; v1@2808.39,3135.23 v1(2808.63,3135.47) ; v1(2862.91,3686.61) 2863.29,3686.99 2863.29,3763.17 IC1.68@2863.54,3763.42 ; J1.7@3412.91,3188.61 3374.41,3177.11 3096.82,3167.12 cw(c3094.87,3222.46) 3086.36,3167.75 3004.55,3180.31 ccw(c2997.61,3135.47) 2990.41,3180.27 2929,3170.4 ccw(c2934.62,3135.47) 2927.13,3170.04 2836.87,3150.5 ccw(c2840.13,3135.47) 2833.02,3149.1 2811.33,3137.84 ccw(c2813.63,3133.4) 2810.1,3136.94 v1(2808.63,3135.47)
  Mid-Layer 3 w5: v1(2808.63,3135.47) 2808.63,3447.62 ; 2808.63,3447.66 ccw(c2803.63,3447.62) 2807.17,3451.16 2797.27,3461.06 cw(c2808.14,3471.93) 2796.62,3482.11 2807.38,3494.28 ccw(c2803.63,3497.59) 2808.63,3497.5 ; 2808.63,3497.54 2808.63,3595.61 v1(2808.39,3595.85) 2808.14,3596.1 2808.14,3629.77 cw(c2813.14,3629.77) 2809.59,3633.29 v1(2862.91,3686.61)
  Bottom Layer w5: U2.48@2808.39,3534.02 v1(2808.39,3595.85)
D13: IC1.77 J1.5 U1.50 U2.50 | length 1615.9
  Top Layer w5: U1.50@2871.62,3073.63 2871.62,3115.89 2871.62,3135.72 v1(2871.62,3135.47) 2873.09,3136.94 cw(c2876.62,3133.4) 2874.32,3137.84 2896.03,3149.12 cw(c2903.12,3135.47) 2898.24,3150.05 2926.56,3159.53 cw(c2934.62,3135.47) 2930.59,3160.52 2991.99,3170.4 cw(c2997.61,3135.47) 3003.05,3170.42 3084.89,3157.86 ccw(c3094.87,3222.46) 3094.87,3157.09 3374.41,3157.09 J1.5@3412.91,3149.61 ; v1(2887.48,3924.68) 2921.41,3924.68 2925.23,3920.87 IC1.77@3020.67,3920.87
  Mid-Layer 3 w5: v1(2871.62,3135.47) 2871.62,3447.62 ; 2871.62,3447.67 ccw(c2866.62,3447.58) 2870.17,3451.11 2860.24,3461.08 cw(c2871.13,3471.93) 2859.61,3482.1 2870.37,3494.28 ccw(c2866.62,3497.59) 2871.62,3497.5 ; 2871.62,3497.54 2871.62,3595.61 v1(2871.13,3596.1) 2871.13,3617.76 cw(c2876.13,3617.76) 2872,3620.58 2890.63,3647.97 ccw(c2877.91,3656.61) 2893.29,3656.41 2895.37,3814.67 ; v1(2887.48,3924.68) 2891.43,3900.05 cw(c2866.37,3896.03) 2891.46,3899.86 2895.74,3871.95 cw(c2870.65,3868.11) 2896.03,3867.8 2895.37,3814.69
  Bottom Layer w5: U2.50@2871.38,3534.02 v1@2871.38,3595.86
D14: IC1.78 J1.3 U1.51 U2.51 | length 1556.4
  Top Layer w5: U1.51@2903.12,3073.63 v1(2903.12,3135.47) 2904.58,3136.94 cw(c2908.12,3133.4) 2905.82,3137.84 2927.49,3149.09 cw(c2934.62,3135.47) 2932.18,3150.65 2993.58,3160.52 cw(c2997.61,3135.47) 3001.54,3160.54 3083.37,3147.97 ccw(c3094.87,3222.46) 3089.91,3147.25 3196.64,3140.32 cw(c3195,3115) 3197.57,3140.24 3329.14,3127.1 cw(c3327.4,3109.69) 3329.7,3127.03 3374.41,3121.11 J1.3@3412.91,3109.61 ; v1(2926.95,3941.26) 2941.26,3941.26 2944.31,3944.31 2947.88,3940.74 3020.16,3940.74 IC1.78@3020.51,3940.39
  Mid-Layer 3 w5: v1(2903.12,3135.47) 2903.12,3447.62 ; 2903.12,3447.67 ccw(c2898.12,3447.58) 2901.66,3451.11 2891.73,3461.08 cw(c2902.63,3471.93) 2891.11,3482.1 2901.87,3494.28 ccw(c2898.12,3497.59) 2903.12,3497.5 ; 2903.12,3497.54 v1(2903.12,3592.2) 2903.12,3613.12 cw(c2908.12,3613.12) 2903.29,3614.41 2912.1,3647.52 ccw(c2877.91,3656.61) 2913.23,3654.57 2929.82,3941.09 2927.11,3941.09 v1(2926.95,3941.26)
  Bottom Layer w5: U2.51@2902.87,3534.02 2903.12,3534.26 v1(2903.12,3592.2)
D15: IC1.79 J1.1 U1.53 U2.53 | length 1524
  Top Layer w5: v1(2956.75,3983.22) 2956.75,3981.84 2978.21,3960.39 3020.52,3960.39 IC1.79@3020.67,3960.24 ; U1.53@2965.87,3073.39 2966.11,3115.89 v1(2966.11,3135.47) ; v1@2966.36,3135.72 v1(2966.11,3135.47) ; J1.1@3412.91,3070.61 3374.41,3082.11 3332.05,3115.57 ccw(c3327.4,3109.69) 3328.15,3117.15 3196.53,3130.3 ccw(c3195,3115) 3196,3130.34 3089.34,3137.27 cw(c3094.87,3222.46) 3081.89,3138.08 2999.98,3150.66 ccw(c2997.61,3135.47) 2990.5,3149.1 2968.81,3137.84 ccw(c2971.11,3133.4) 2967.58,3136.94 v1(2966.11,3135.47)
  Mid-Layer 3 w5: v1(2956.75,3983.22) 2965.62,3796.82 cw(c2960.62,3796.58) 2965.62,3796.67 v1(2965.62,3596.1) 2966.11,3595.61 2966.11,3497.54 ; v1(2966.11,3135.47) 2966.11,3447.62 ; 2966.11,3447.67 ccw(c2961.11,3447.58) 2964.66,3451.11 2954.73,3461.08 cw(c2965.62,3471.93) 2954.1,3482.1 2964.86,3494.28 ccw(c2961.11,3497.59) 2966.11,3497.5
  Bottom Layer w5: U2.53@2965.87,3534.02 v1@2965.87,3595.86